# Altium PCB BRD_EPM240.PcbDoc (part 2 of 2)
Units mm, origin at the board's own origin, x right, y up, seen from the top; angles counter-clockwise.
Board outline 70.2 x 70 mm, 2 copper layers (Top Layer, Bottom Layer); 159 components, 112 nets, 540 pads, 248 vias.
Unrouted connection lines stored in the file: 31.
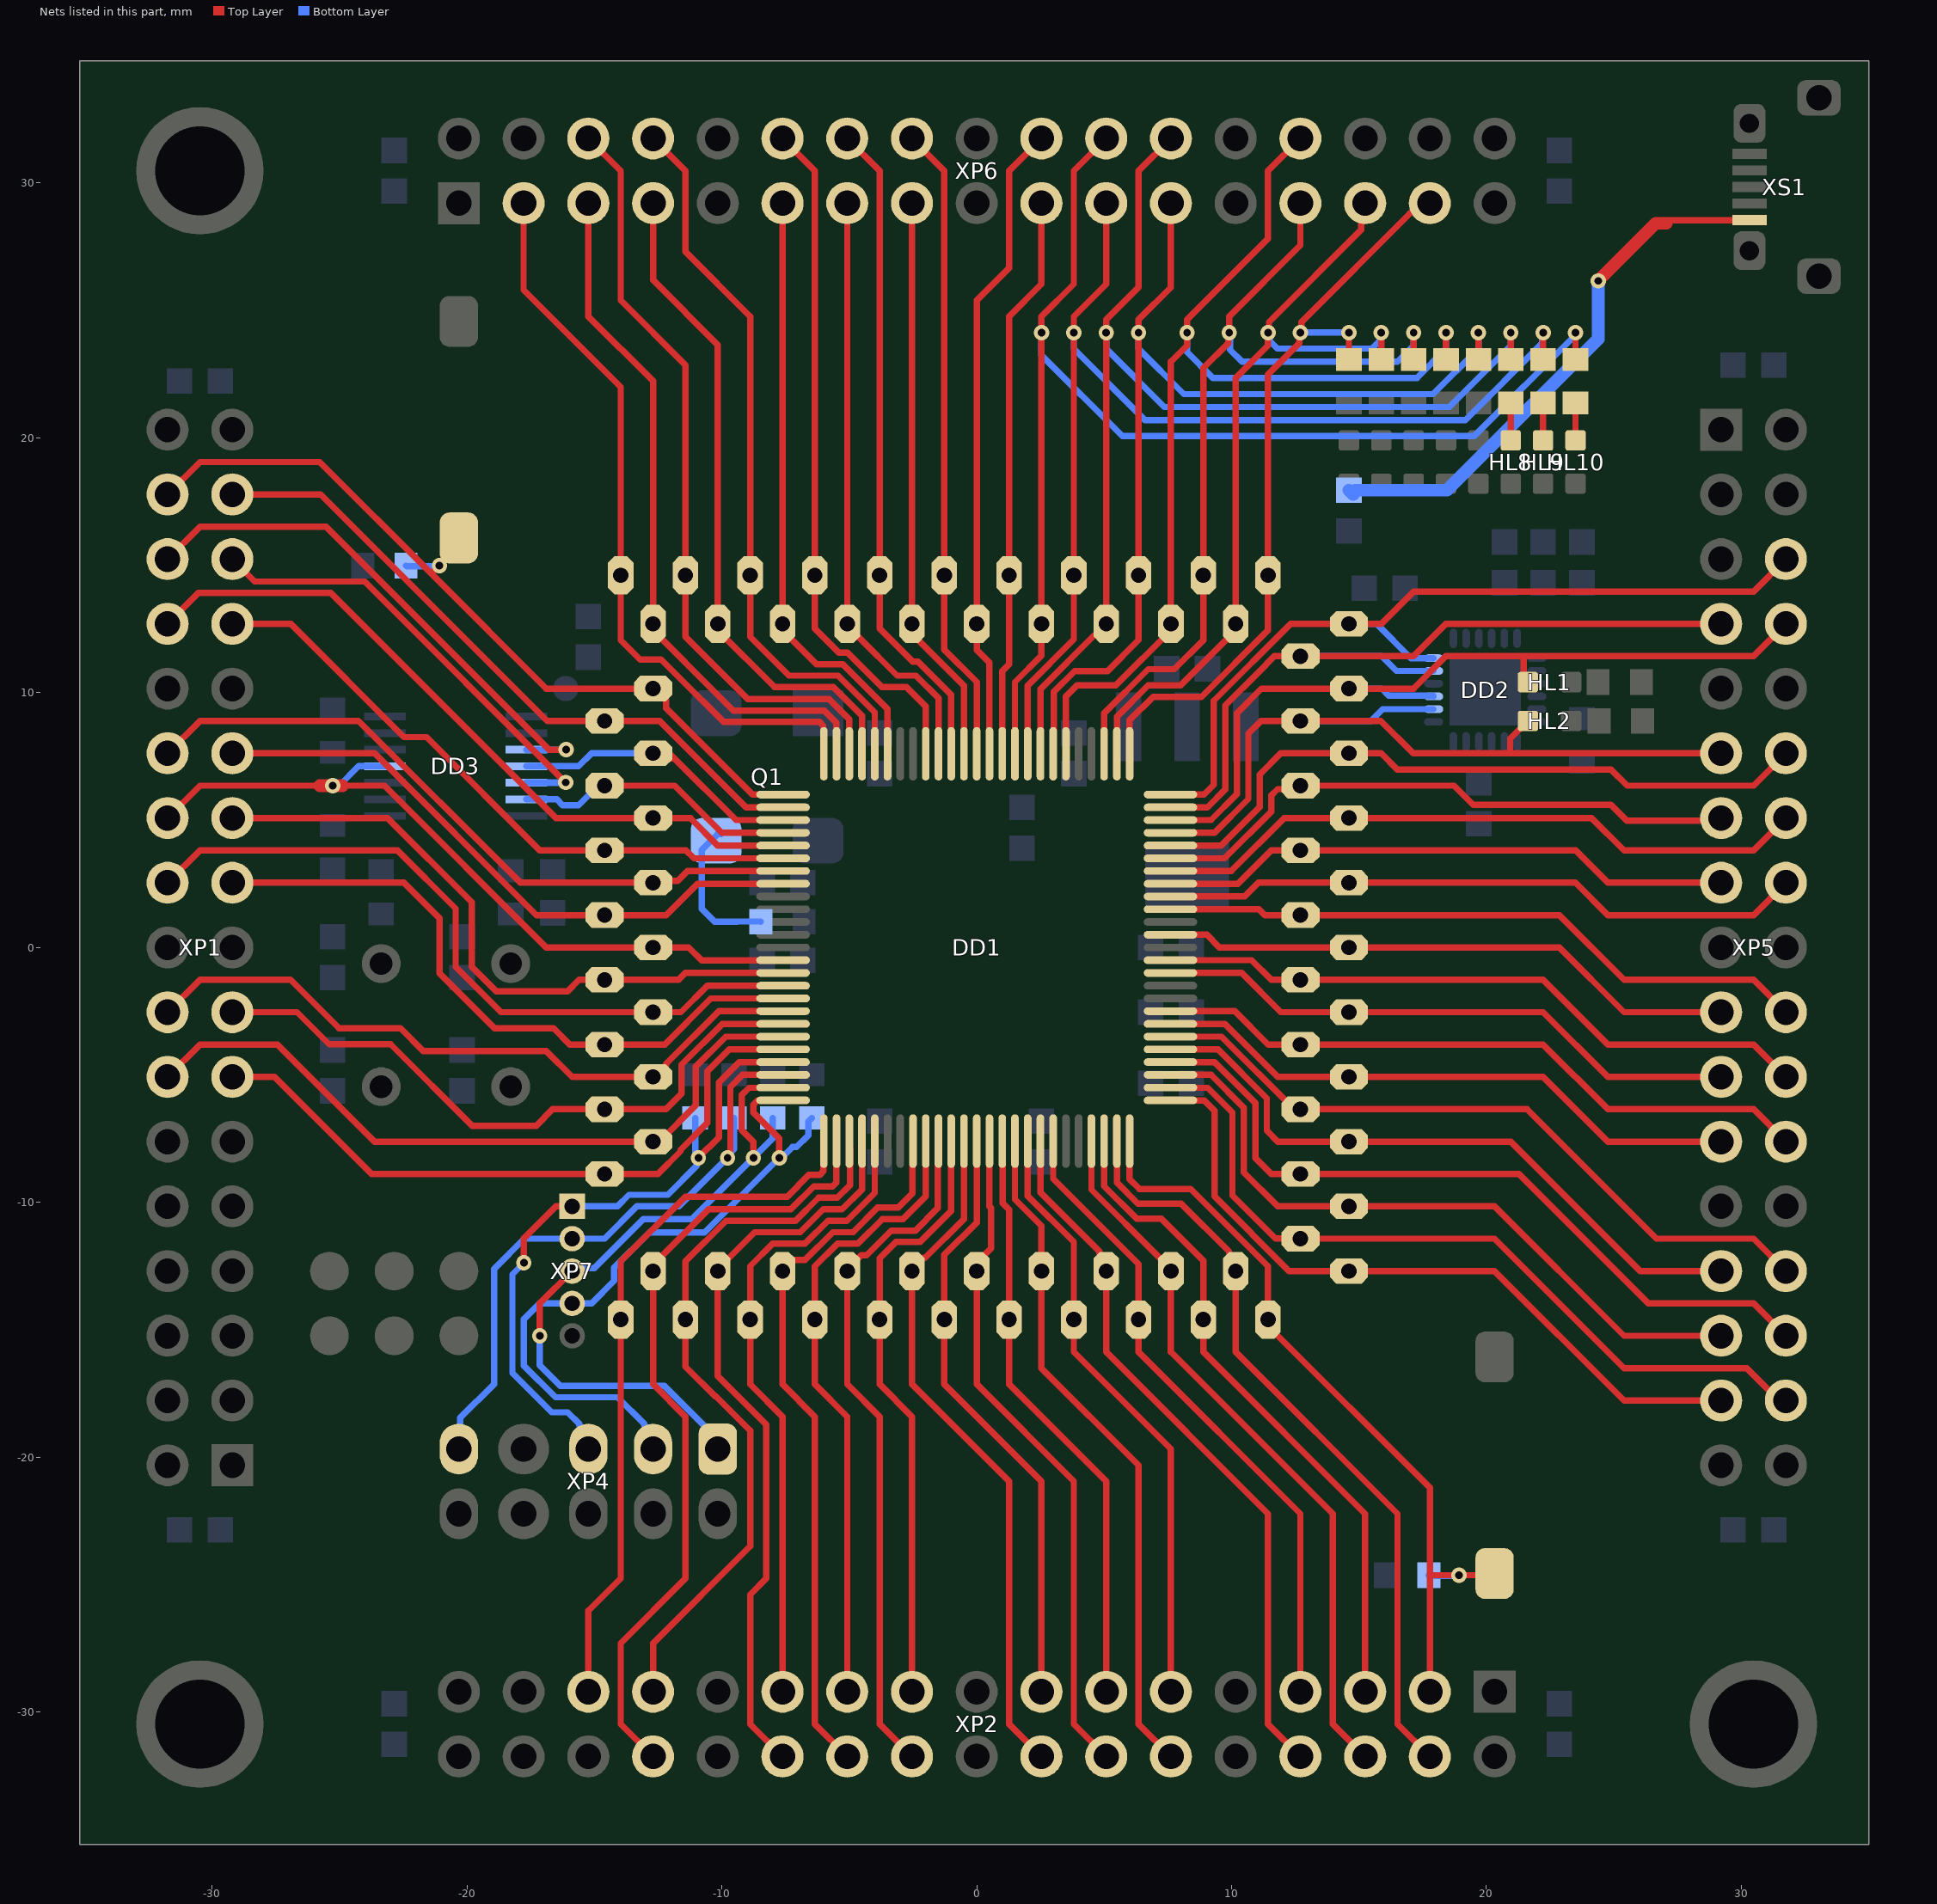
[diagram p2: the nets of this part, all layers, seen from the top]

## Via types
v1: diameter 0.6, hole 0.3, Top Layer to Bottom Layer, tented both sides, 245 vias
v2: diameter 0.6, hole 0.3, Top Layer to Bottom Layer, 3 vias

## Nets (pads, with @x,y where several pads share a name; then routed paths per layer and width w, separated by ;. In a path a pad name is that pad's centre, name@x,y a point inside that pad or via, vN(x,y) a via of type N, cw(c..) or ccw(c..) an arc to the next point about the centre after c; other vN are vias at no path point) (continued)
NetHL8_A: HL8.A R20.1 | length 1.7
  Top Layer w0.25: HL8.A@20.955,19.685 HL8.A@20.955,19.9 R20.1@20.955,21.375
NetHL9_A: HL9.A R21.1 | length 1.7
  Top Layer w0.25: HL9.A@22.225,19.685 HL9.A@22.225,19.9 R21.1@22.225,21.375
NetHL10_A: HL10.A R22.1 | length 1.1
  Top Layer w0.25: 23.495,20.32 R22.1@23.495,21.375
NetL1_1: L1.1 XS1.1 | length 21.6
  Top Layer w0.25: 27.051,28.545 XS1.1@30.32,28.545
  Top Layer w0.5: v1(24.384,26.162) 26.642,28.42 27.051,28.42
  Bottom Layer w0.5: L1.1@14.605,17.945 14.77,17.78 14.77,17.86 14.855,17.945 18.453,17.945 24.384,23.876 v1(24.384,26.162)
NetQ1_3: Q1.3 R5.1 | length 5.8
  Bottom Layer w0.25: Q1.3@-10.033,4.445 -10.162,4.445 -10.785,3.822 -10.785,1.514 -10.287,1.016 -9.403,1.016 -9.399,1.021 -8.475,1.021 R5.1@-8.47,1.016
Pin1: DD1.1 R14.1 SB1.1 X79.1 XP1.32 | length 33.4
  Top Layer w0.25: XP1.32@-31.75,17.78 -30.48,19.05 -25.781,19.05 -21.399,14.668 ; v1(-21.082,14.986) v1@-21.111,14.957 ; SB1.1@-20.32,16.07 -20.32,15.813 -21.111,15.022 v1@-21.111,14.957 ; X79.1@-12.7,10.16 -16.891,10.16 -21.399,14.668 ; X79.1@-12.627,10.16 -12.185,9.718 -12.185,9.391 -8.794,6 DD1.1@-7.6,6 ; -21.399,14.668 v1@-21.111,14.957
  Bottom Layer w0.25: R14.1@-22.391,14.986 -22.366,14.961 v1@-21.141,14.961
Pin2: DD1.2 X1.1 XP1.31 | length 26.7
  Top Layer w0.25: XP1.31@-29.21,17.78 -25.742,17.78 -16.852,8.89 X1.1@-14.605,8.89 -12.446,8.89 -9.056,5.5 DD1.2@-7.6,5.5
Pin3: DD1.3 DD3.11 X2.1 | length 15.7
  Top Layer w0.25: DD1.3@-7.6,5 -9.445,5 ; -9.445,5 -11.867,7.422 -12.502,7.422 X2.1@-12.7,7.62 -12.673,7.647 -12.092,7.647 -9.445,5
  Bottom Layer w0.25: DD3.11@-17.672,7.112 -15.621,7.112 -15.113,7.62 X2.1@-12.7,7.62
Pin3_nBuf: DD3.10 XP1.30 | length 21.3
  Top Layer w0.25: XP1.30@-31.75,15.24 -30.48,16.51 -25.527,16.51 -16.779,7.762 v1(-16.114,7.762)
  Bottom Layer w0.25: DD3.10@-17.672,7.762 v1(-16.114,7.762)
Pin4: DD1.4 DD3.13 X3.1 | length 11.2
  Top Layer w0.25: X3.1@-14.605,6.35 -11.854,6.35 -10.597,5.093 -10.004,4.5 DD1.4@-7.6,4.5
  Bottom Layer w0.25: DD3.13@-17.672,5.812 -16.48,5.812 -16.256,5.588 -15.621,5.588 -14.859,6.35 X3.1@-14.605,6.35
Pin4_nBuf: DD3.12 XP1.29 | length 19.5
  Top Layer w0.25: XP1.29@-29.21,15.24 -28.331,14.361 -24.014,14.361 -16.13,6.477 v1(-16.129,6.477)
  Bottom Layer w0.25: v1@-16.398,6.462 DD3.12@-17.672,6.462 -17.665,6.469 -16.137,6.469 v1(-16.129,6.477)
Pin5: DD1.5 X4.1 XP1.28 | length 28.8
  Top Layer w0.25: XP1.28@-31.75,12.7 -30.539,13.911 -25.341,13.911 -16.51,5.08 X4.1@-12.7,5.08 -11.221,5.08 -11.221,5.061 -10.16,4 DD1.5@-7.6,4
Pin6: DD1.6 X5.1 XP1.27 | length 25.4
  Top Layer w0.25: XP1.27@-29.21,12.7 -26.919,12.7 -22.474,8.255 -21.59,8.255 -17.145,3.81 X5.1@-14.605,3.81 -11.409,3.81 -11.099,3.5 DD1.6@-7.6,3.5
Pin7: DD1.7 X6.1 XP1.24 | length 27.5
  Top Layer w0.25: XP1.24@-31.75,7.62 -30.48,8.89 -24.257,8.89 -17.907,2.54 X6.1@-12.7,2.54 -12.629,2.611 -11.74,2.611 -11.351,3 DD1.7@-7.6,3
Pin8: DD1.8 X7.1 XP1.23 | length 24.7
  Top Layer w0.25: XP1.23@-29.21,7.62 -23.623,7.62 -17.273,1.27 -12.188,1.27 -10.958,2.5 DD1.8@-7.6,2.5
Pin14: DD1.14 DD3.4 X8.1 XP1.22 | length 29.9
  Top Layer w0.25: XP1.22@-31.75,5.08 -30.48,6.35 -25.781,6.35 ; -24.892,6.35 -23.241,6.35 -16.891,0 X8.1@-12.7,0 -11.303,0 -10.793,-0.51 -7.61,-0.51 DD1.14@-7.6,-0.5
  Top Layer w0.5: -25.781,6.35 v1(-25.273,6.35) -24.892,6.35
  Bottom Layer w0.25: v1(-25.273,6.35) -25.019,6.35 -24.257,7.112 DD3.4@-23.222,7.112
Pin15: DD1.15 X9.1 XP1.21 | length 26.2
  Top Layer w0.25: XP1.21@-29.21,5.08 -23.114,5.08 -19.811,1.777 -19.811,-0.761 -18.849,-1.722 -16.058,-1.722 -15.606,-1.27 X9.1@-14.605,-1.27 -11.699,-1.27 -11.429,-1 DD1.15@-7.6,-1
Pin16: DD1.16 X10.1 XP1.20 | length 29.1
  Top Layer w0.25: XP1.20@-31.75,2.54 -30.48,3.81 -22.733,3.81 -20.447,1.524 -20.447,-0.761 -18.668,-2.54 X10.1@-12.7,-2.54 -11.608,-2.54 -10.568,-1.5 DD1.16@-7.6,-1.5
Pin17: DD1.17 X11.1 XP1.19 | length 26.3
  Top Layer w0.25: XP1.19@-29.21,2.54 -22.479,2.54 -21.082,1.143 -21.082,-1.016 -18.923,-3.175 -16.601,-3.175 -15.966,-3.81 X11.1@-14.605,-3.81 -12.242,-3.81 -10.432,-2 DD1.17@-7.6,-2
Pin18: DD1.18 X12.1 XP1.16 | length 27.4
  Top Layer w0.25: XP1.16@-31.75,-2.54 -30.48,-1.27 -26.924,-1.27 -25.019,-3.175 -22.606,-3.175 -21.717,-4.064 -16.891,-4.064 -15.875,-5.08 X12.1@-12.7,-5.08 -12.627,-5.08 -12.185,-4.638 -12.185,-4.565 -10.12,-2.5 DD1.18@-7.6,-2.5
Pin19: DD1.19 X13.1 XP1.15 | length 25.8
  Top Layer w0.25: XP1.15@-29.21,-2.54 -26.67,-2.54 -25.407,-3.803 -22.994,-3.803 -19.799,-6.998 -17.285,-6.998 -16.637,-6.35 X13.1@-14.605,-6.35 -12.192,-6.35 -11.582,-5.74 -11.582,-4.598 -9.984,-3 DD1.19@-7.6,-3
Pin20: DD1.20 X14.1 XP1.14 | length 28.8
  Top Layer w0.25: XP1.14@-31.75,-5.08 -30.48,-3.81 -27.432,-3.81 -23.622,-7.62 X14.1@-12.7,-7.62 -12.45,-7.62 -11.021,-6.191 -11.021,-4.674 -9.847,-3.5 DD1.20@-7.6,-3.5
Pin21: DD1.21 X15.1 XP1.13 | length 26.4
  Top Layer w0.25: XP1.13@-29.21,-5.08 -27.56,-5.08 -23.75,-8.89 X15.1@-14.605,-8.89 -12.51,-8.89 -11.625,-8.005 -11.625,-7.947 -10.567,-6.89 -10.567,-4.857 -9.711,-4 DD1.21@-7.6,-4
Pin26: DD1.26 X16.1 XP2.29 | length 28
  Top Layer w0.25: XP2.29@-15.24,-29.21 -15.24,-26.035 -13.969,-24.764 X16.1@-13.969,-14.605 -13.969,-12.318 -11.43,-9.779 -7.437,-9.779 -6.583,-8.925 -6.156,-8.925 -6.01,-8.779 -6.01,-7.61 DD1.26@-6,-7.6
Pin27: DD1.27 X17.1 XP2.28 | length 31.6
  Top Layer w0.25: XP2.28@-12.7,-31.75 -13.97,-30.48 -13.97,-27.305 -11.43,-24.765 -11.43,-18.415 -12.7,-17.145 X17.1@-12.7,-12.7 -12.7,-12.45 -10.525,-10.275 -7.297,-10.275 -6.397,-9.375 -5.656,-9.375 -5.51,-9.229 -5.51,-7.61 DD1.27@-5.5,-7.6
Pin28: DD1.28 X18.1 XP2.27 | length 28.7
  Top Layer w0.25: XP2.27@-12.7,-29.21 -12.7,-27.305 -8.89,-23.495 -8.89,-18.965 -10.243,-17.613 -10.272,-17.613 -11.43,-16.455 X18.1@-11.43,-14.605 -11.43,-12.319 -9.836,-10.725 -7.11,-10.725 -6.21,-9.825 -5.47,-9.825 -4.975,-9.33 DD1.28@-4.975,-7.874
Pin29: DD1.29 X19.1 XP2.24 | length 29.6
  Top Layer w0.25: XP2.24@-7.62,-31.75 -8.89,-30.48 -8.89,-25.401 -8.255,-24.766 -8.255,-18.729 -10.16,-16.824 -10.16,-12.627 -8.708,-11.175 -6.924,-11.175 -6.024,-10.275 -5.283,-10.275 -4.5,-9.492 DD1.29@-4.5,-7.6
Pin30: DD1.30 X20.1 XP2.23 | length 25.3
  Top Layer w0.25: XP2.23@-7.62,-29.21 -7.62,-18.415 -8.89,-17.145 X20.1@-8.89,-14.605 -8.89,-12.51 -8.005,-11.625 -6.737,-11.625 -5.837,-10.725 -5.097,-10.725 -4,-9.628 DD1.30@-4,-7.6
Pin33: DD1.33 X21.1 XP2.22 | length 28.6
  Top Layer w0.25: XP2.22@-5.08,-31.75 -6.35,-30.48 -6.35,-18.415 -7.62,-17.145 -7.62,-12.644 -7.245,-12.269 -6.745,-12.269 -5.651,-11.175 -4.849,-11.175 -3.885,-10.211 -3.082,-10.211 -2.525,-9.653 -2.525,-8.56 -2.51,-8.545 -2.51,-7.61 DD1.33@-2.5,-7.6
Pin34: DD1.34 X22.1 XP2.21 | length 24.9
  Top Layer w0.25: XP2.21@-5.08,-29.21 -5.08,-18.415 -6.35,-17.145 X22.1@-6.35,-14.605 -6.35,-12.51 -5.465,-11.625 -4.662,-11.625 -3.698,-10.661 -2.896,-10.661 -2,-9.765 DD1.34@-2,-7.6
Pin35: DD1.35 X23.1 XP2.20 | length 26.9
  Top Layer w0.25: XP2.20@-2.54,-31.75 -3.81,-30.48 -3.81,-18.415 -5.08,-17.145 X23.1@-5.08,-12.7 -5.08,-12.627 -4.528,-12.075 -4.322,-12.075 -3.358,-11.111 -2.411,-11.111 -1.524,-10.224 DD1.35@-1.524,-8.001
Pin36: DD1.36 X24.1 XP2.19 | length 23.4
  Top Layer w0.25: XP2.19@-2.54,-29.21 -2.54,-18.415 -3.81,-17.145 X24.1@-3.81,-14.605 -3.81,-12.2 -3.171,-11.561 -2.224,-11.561 -1,-10.337 DD1.36@-1,-8.017
Pin37: DD1.37 X25.1 XP2.16 | length 26.6
  Top Layer w0.25: DD1.37@-0.5,-8.136 -0.5,-10.659 -2.026,-12.184 -2.097,-12.184 -2.54,-12.627 X25.1@-2.54,-12.7 -2.54,-17.145 1.27,-20.955 1.27,-30.48 XP2.16@2.54,-31.75
Pin38: DD1.38 X26.1 XP2.15 | length 23.1
  Top Layer w0.25: X26.1@-1.27,-14.605 -1.27,-17.145 2.54,-20.955 XP2.15@2.54,-29.21 ; X26.1@-1.27,-13.97 -1.27,-12.065 0,-10.795 DD1.38@0,-7.6
Pin39: DD1.39 X27.1 XP2.14 | length 26.5
  Top Layer w0.25: DD1.39@0.5,-7.6 0.5,-10.158 0.569,-10.226 0.569,-11.809 0,-12.377 X27.1@0,-12.7 0,-17.145 3.81,-20.955 3.81,-30.48 XP2.14@5.08,-31.75
Pin40: DD1.40 X28.1 XP2.13 | length 24.6
  Top Layer w0.25: DD1.40@1,-7.6 1.01,-7.61 1.01,-8.545 1.016,-8.551 1.016,-10.037 1.275,-10.296 X28.1@1.275,-14.6 ; 1.275,-15.875 1.275,-14.61 X28.1@1.27,-14.605 1.27,-17.145 5.08,-20.955 5.08,-24.857 XP2.13@5.08,-29.21
Pin41: DD1.41 X29.1 XP2.12 | length 27.1
  Top Layer w0.25: DD1.41@1.5,-7.6 1.5,-9.885 2.54,-10.925 X29.1@2.54,-12.7 2.54,-16.51 6.35,-20.32 6.35,-30.48 XP2.12@7.62,-31.75 XP2.12@7.888,-31.482
Pin42: DD1.42 X30.1 XP2.11 | length 23.9
  Top Layer w0.25: DD1.42@2,-7.6 2,-9.748 3.81,-11.558 X30.1@3.81,-14.605 3.81,-15.875 7.62,-19.685 XP2.11@7.62,-29.21
Pin43: DD1.43 X31.1 XP2.8 | length 28.4
  Top Layer w0.25: DD1.43@2.5,-7.6 2.5,-9.612 4.819,-11.931 4.819,-12.012 5.08,-12.273 X31.1@5.08,-12.7 5.08,-15.875 11.43,-22.225 11.43,-30.48 XP2.8@12.7,-31.75
Pin44: DD1.44 X32.1 XP2.7 | length 25.6
  Top Layer w0.25: DD1.44@3,-7.6 3,-9.074 6.35,-12.424 X32.1@6.35,-14.605 6.35,-15.875 12.7,-22.225 XP2.7@12.7,-29.21
Pin47: DD1.47 X33.1 XP2.6 | length 28.6
  Top Layer w0.25: DD1.47@4.5,-7.6 4.5,-9.507 7.141,-12.148 7.62,-12.627 X33.1@7.62,-12.7 7.62,-15.875 13.97,-22.225 13.97,-30.48 XP2.6@15.24,-31.75
Pin48: DD1.48 X34.1 XP2.5 | length 26.4
  Top Layer w0.25: DD1.48@5,-7.6 5,-9.37 6.278,-10.648 7.242,-10.648 8.89,-12.296 X34.1@8.89,-14.605 8.89,-15.875 15.24,-22.225 XP2.5@15.24,-29.21
Pin49: DD1.49 X35.1 XP2.4 | length 30.2
  Top Layer w0.25: DD1.49@5.5,-7.6 5.5,-9.234 6.322,-10.056 8.024,-10.056 9.899,-11.931 9.899,-12.012 10.16,-12.273 X35.1@10.16,-12.7 10.16,-15.875 16.51,-22.225 16.51,-30.48 XP2.4@17.78,-31.75
Pin50: DD1.50 R15.1 SB2.1 X36.1 XP2.3 | length 31.4
  Top Layer w0.25: DD1.50@6,-7.6 6,-9.098 6.377,-9.474 8.394,-9.474 11.43,-12.51 X36.1@11.43,-14.605 11.43,-14.855 17.78,-21.205 17.78,-24.638 ; XP2.3@17.78,-29.21 17.78,-24.638 ; SB2.1@20.32,-24.57 20.252,-24.638 v1(18.923,-24.638) 17.78,-24.638
  Bottom Layer w0.25: R15.1@17.741,-24.638 17.766,-24.663 v1@18.923,-24.663
Pin51: DD1.51 X37.1 XP5.31 | length 28.5
  Top Layer w0.25: DD1.51@7.6,-6 7.61,-6.01 8.929,-6.01 9.329,-6.409 9.329,-9.773 12.256,-12.7 X37.1@14.605,-12.7 20.32,-12.7 25.4,-17.78 XP5.31@29.21,-17.78
Pin52: DD1.52 X38.1 XP5.32 | length 31.1
  Top Layer w0.25: DD1.52@7.6,-5.5 7.61,-5.51 9.066,-5.51 10.033,-6.477 10.033,-9.728 11.721,-11.417 12.687,-11.417 X38.1@12.7,-11.43 20.32,-11.43 25.4,-16.51 30.212,-16.51 31.482,-17.78 XP5.32@31.75,-17.78
Pin53: DD1.53 X39.1 XP5.29 | length 27.3
  Top Layer w0.25: DD1.53@7.6,-5 9.192,-5 10.483,-6.291 10.483,-8.832 11.811,-10.16 X39.1@14.605,-10.16 20.32,-10.16 25.4,-15.24 XP5.29@29.21,-15.24
Pin54: DD1.54 X40.1 XP5.30 | length 29.9
  Top Layer w0.25: DD1.54@7.6,-4.5 9.329,-4.5 10.933,-6.104 10.933,-8.266 11.557,-8.89 X40.1@12.7,-8.89 21.273,-8.89 26.353,-13.97 30.48,-13.97 XP5.30@31.75,-15.24
Pin55: DD1.55 X41.1 XP5.27 | length 26
  Top Layer w0.25: DD1.55@7.6,-4 9.465,-4 11.383,-5.918 11.383,-7.192 11.811,-7.62 X41.1@14.605,-7.62 20.955,-7.62 26.035,-12.7 XP5.27@29.21,-12.7
Pin56: DD1.56 X42.1 XP5.28 | length 28
  Top Layer w0.25: DD1.56@7.6,-3.5 9.602,-3.5 12.452,-6.35 X42.1@12.7,-6.35 21.59,-6.35 26.67,-11.43 30.48,-11.43 XP5.28@31.75,-12.7
Pin57: DD1.57 X43.1 XP5.23 | length 23.5
  Top Layer w0.25: DD1.57@7.6,-3 9.738,-3 11.818,-5.08 X43.1@14.605,-5.08 22.225,-5.08 24.765,-7.62 XP5.23@29.21,-7.62
Pin58: DD1.58 X44.1 XP5.24 | length 26.3
  Top Layer w0.25: DD1.58@7.6,-2.5 10.125,-2.5 11.435,-3.81 X44.1@12.7,-3.81 22.225,-3.81 24.765,-6.35 30.48,-6.35 XP5.24@31.75,-7.62
Pin61: DD1.61 X45.1 XP5.21 | length 23.3
  Top Layer w0.25: DD1.61@7.6,-1 10.398,-1 11.938,-2.54 X45.1@14.605,-2.54 22.225,-2.54 24.765,-5.08 XP5.21@29.21,-5.08
Pin62: DD1.62 X46.1 XP5.22 | length 26
  Top Layer w0.25: DD1.62@7.6,-0.5 10.787,-0.5 11.557,-1.27 X46.1@12.7,-1.27 22.225,-1.27 24.765,-3.81 30.48,-3.81 XP5.22@31.75,-5.08
Pin64: DD1.64 X47.1 XP5.19 | length 22.9
  Top Layer w0.25: DD1.64@7.6,0.5 9.025,0.5 9.525,0 X47.1@14.605,0 22.86,0 25.4,-2.54 XP5.19@29.21,-2.54
Pin66: DD1.66 X48.1 XP5.20 | length 25.8
  Top Layer w0.25: DD1.66@7.6,1.5 11.073,1.5 11.303,1.27 X48.1@12.7,1.27 22.86,1.27 25.4,-1.27 30.48,-1.27 XP5.20@31.75,-2.54
Pin67: DD1.67 X49.1 XP5.16 | length 25.4
  Top Layer w0.25: DD1.67@7.6,2 10.509,2 11.049,2.54 X49.1@14.605,2.54 23.495,2.54 24.765,1.27 30.48,1.27 XP5.16@31.75,2.54
Pin68: DD1.68 X50.1 XP5.15 | length 22.7
  Top Layer w0.25: DD1.68@7.6,2.5 10.247,2.5 11.557,3.81 23.496,3.81 24.766,2.54 XP5.15@29.21,2.54
Pin69: DD1.69 X51.1 XP5.14 | length 26.1
  Top Layer w0.25: DD1.69@7.6,3 9.985,3 12.065,5.08 X51.1@14.605,5.08 24.13,5.08 25.4,3.81 30.48,3.81 XP5.14@31.75,5.08
Pin70: DD1.70 X52.1 XP5.13 | length 23.8
  Top Layer w0.25: DD1.70@7.6,3.5 9.723,3.5 11.557,5.334 11.557,5.969 11.804,6.216 12.566,6.216 X52.1@12.7,6.35 18.728,6.35 19.48,5.598 24.882,5.598 25.507,4.973 29.103,4.973 XP5.13@29.21,5.08
Pin71: DD1.71 X53.1 XP5.12 | length 27.4
  Top Layer w0.25: DD1.71@7.6,4 9.587,4 11.107,5.52 11.107,6.789 11.938,7.62 15.87,7.62 16.505,6.985 24.892,6.985 25.527,6.35 30.48,6.35 XP5.12@31.75,7.62
Pin72: DD1.72 DD2.20 HL2.K X54.1 XP5.11 | length 32.4
  Top Layer w0.25: DD1.72@7.6,4.5 9.329,4.5 10.657,5.828 10.657,8.395 11.152,8.89 15.851,8.89 17.121,7.62 20.931,7.62 ; HL2.K@21.629,8.89 20.931,8.192 20.931,7.62 ; XP5.11@29.21,7.62 20.931,7.62
  Bottom Layer w0.25: X54.1@12.7,8.89 15.47,8.89 15.933,9.353 DD2.20@17.929,9.353
Pin73: DD1.73 DD2.21 HL1.K X55.1 XP5.8 | length 33.6
  Top Layer w0.25: DD1.73@7.6,5 9.192,5 10.207,6.015 10.207,8.581 10.207,9.191 11.176,10.16 X55.1@14.605,10.16 17.145,10.16 18.415,11.43 21.463,11.43 ; HL1.K@21.59,10.668 21.484,10.668 21.463,10.689 21.463,11.43 ; XP5.8@31.75,12.7 30.48,11.43 21.463,11.43
  Top Layer w0.5: HL1.K@21.59,10.453 HL1.K@21.629,10.414
  Bottom Layer w0.25: X55.1@14.605,10.16 15.886,10.16 16.168,9.878 17.644,9.878 17.659,9.863 17.919,9.863 DD2.21@17.929,9.853
Pin74: DD1.74 DD2.23 X56.1 XP5.7 | length 32
  Top Layer w0.25: DD1.74@7.6,5.5 9.056,5.5 9.757,6.201 9.757,8.767 9.757,9.503 11.049,10.795 11.684,11.43 X56.1@12.7,11.43 17.145,11.43 18.415,12.7 XP5.7@29.21,12.7
  Bottom Layer w0.25: X56.1@12.7,11.43 15.886,11.43 16.463,10.853 DD2.23@17.929,10.853
Pin75: DD1.75 DD2.24 X57.1 XP5.6 | length 33.8
  Top Layer w0.25: DD1.75@7.6,6 8.92,6 9.307,6.387 9.307,9.689 12.318,12.7 X57.1@14.605,12.7 15.875,12.7 17.145,13.97 30.48,13.97 XP5.6@31.75,15.24
  Bottom Layer w0.25: X57.1@14.605,12.7 15.687,12.7 17.034,11.353 DD2.24@17.929,11.353
Pin76: DD1.76 R6.2 X58.1 XP6.31 | length 30.7
  Top Layer w0.25: DD1.76@6,7.6 6,8.921 6.916,9.837 8.818,9.837 11.43,12.449 X58.1@11.43,14.605 11.43,22.479 12.663,23.712 12.663,24.093 v1(12.7,24.13) ; v1@12.737,24.167 12.737,24.548 16.991,28.802 16.993,28.802 17.401,29.21 XP6.31@17.78,29.21 ; R6.2@14.605,23.075 v1(14.605,24.13)
  Bottom Layer w0.25: v1(12.7,24.13) v1(14.605,24.13)
Pin77: DD1.77 R16.2 X59.1 XP6.29 | length 32.7
  Top Layer w0.25: DD1.77@5.5,7.6 5.5,9.057 6.73,10.287 8.001,10.287 9.144,11.43 10.16,12.446 X59.1@10.16,12.7 10.16,22.352 11.43,23.622 v1(11.43,24.13) ; v1@11.467,24.167 11.467,24.548 15.086,28.167 15.086,29.056 XP6.29@15.24,29.21 ; R16.2@15.875,23.075 v1(15.875,24.13)
  Bottom Layer w0.25: v1(11.43,24.13) 11.497,24.063 11.497,23.809 11.801,23.505 15.504,23.505 15.808,23.809 15.808,24.063 v1(15.875,24.13)
Pin78: DD1.78 R17.2 X60.1 XP6.27 | length 35.3
  Top Layer w0.25: DD1.78@5,7.6 5,9.194 6.728,10.922 7.747,10.922 8.89,12.065 X60.1@8.89,14.605 8.901,14.616 8.901,22.744 9.869,23.712 9.869,24.093 v1(9.906,24.13) 9.906,24.765 12.7,27.559 XP6.27@12.7,29.21 ; R17.2@17.145,23.075 v1(17.145,24.13)
  Bottom Layer w0.25: v1(9.906,24.13) 9.946,24.09 9.946,23.455 10.414,22.987 16.51,22.987 17.145,23.622 v1(17.145,24.13)
Pin81: DD1.81 R18.2 X61.1 XP6.28 | length 42.4
  Top Layer w0.25: DD1.81@3.5,7.6 3.5,9.85 3.937,10.287 5.457,10.287 7.62,12.45 X61.1@7.62,12.7 7.62,22.987 8.255,23.622 8.255,24.638 11.43,27.813 11.43,30.48 XP6.28@12.7,31.75 ; R18.2@18.415,23.075 v1(18.415,24.13)
  Bottom Layer w0.25: v1(8.255,24.13) 8.255,23.368 9.271,22.352 17.272,22.352 18.415,23.495 v1(18.415,24.13)
Pin82: DD1.82 R19.2 X62.1 XP6.23 | length 41.4
  Top Layer w0.25: DD1.82@3,7.6 3.01,7.61 3.01,8.545 3.025,8.56 3.025,10.029 3.843,10.847 5.131,10.847 6.35,12.066 X62.1@6.35,14.605 6.35,24.638 7.62,25.908 XP6.23@7.62,29.21 ; R19.2@19.685,23.075 v1(19.685,24.13)
  Bottom Layer w0.25: v1(6.35,24.13) 6.35,23.495 8.128,21.717 17.907,21.717 19.685,23.495 v1(19.685,24.13)
Pin83: DD1.83 R20.2 X63.1 XP6.24 | length 46.3
  Top Layer w0.25: DD1.83@2.5,7.6 2.5,10.141 4.611,12.252 4.705,12.252 5.08,12.627 X63.1@5.08,12.7 5.08,24.638 6.35,25.908 6.35,30.48 XP6.24@7.62,31.75 ; R20.2@20.955,23.075 v1(20.955,24.13)
  Bottom Layer w0.25: v1(5.08,24.13) 5.08,23.495 7.366,21.209 18.542,21.209 20.955,23.622 v1(20.955,24.13)
Pin84: DD1.84 R21.2 X64.1 XP6.21 | length 45.8
  Top Layer w0.25: DD1.84@2,7.6 2,10.277 3.81,12.087 X64.1@3.81,14.605 3.81,24.765 5.08,26.035 XP6.21@5.08,29.21 ; R21.2@22.225,23.075 22.184,23.116 22.225,23.157 v1(22.225,24.13)
  Bottom Layer w0.25: v1(3.81,24.13) 3.81,23.495 6.604,20.701 19.177,20.701 22.188,23.712 22.188,24.093 v1(22.225,24.13)
Pin85: DD1.85 R22.2 X65.1 XP6.22 | length 51.6
  Top Layer w0.25: DD1.85@1.5,7.6 1.5,10.413 2.54,11.453 X65.1@2.54,12.7 v1(2.54,24.13) 2.54,24.765 3.81,26.035 3.81,30.48 XP6.22@5.08,31.75 ; R22.2@23.495,23.075 v1(23.495,24.13)
  Bottom Layer w0.25: v1(2.54,24.13) 2.54,23.241 5.715,20.066 19.526,20.066 23.495,24.035 v1(23.495,24.13)
Pin86: DD1.86 X66.1 XP6.19 | length 22.2
  Top Layer w0.25: DD1.86@1,7.6 1,10.847 1.27,11.117 X66.1@1.27,14.605 1.27,24.765 2.54,26.035 XP6.19@2.54,29.21
Pin87: DD1.87 X67.1 XP6.20 | length 25.4
  Top Layer w0.25: DD1.87@0.5,7.6 0.5,11.176 0,11.676 X67.1@0,12.7 0,25.4 1.27,26.67 1.27,30.48 XP6.20@2.54,31.75
Pin88: DD1.88 X68.1 XP6.16 | length 25.2
  Top Layer w0.25: XP6.16@-2.54,31.75 -1.27,30.48 X68.1@-1.27,14.605 -1.27,11.683 0,10.413 DD1.88@0,7.6
Pin89: DD1.89 X69.1 XP6.15 | length 22.5
  Top Layer w0.25: XP6.15@-2.54,29.21 X69.1@-2.54,12.7 -2.54,12.317 -0.5,10.277 DD1.89@-0.5,7.6
Pin90: DD1.90 X70.1 XP6.14 | length 26
  Top Layer w0.25: XP6.14@-5.08,31.75 -3.81,30.48 X70.1@-3.81,14.605 -3.81,12.51 -2.512,11.212 -2.298,11.212 -1,9.913 DD1.90@-1,7.6
Pin91: DD1.91 X71.1 XP6.13 | length 23.5
  Top Layer w0.25: XP6.13@-5.08,29.21 X71.1@-5.08,12.7 -5.08,12.627 -4.601,12.148 -3.121,10.668 -2.391,10.668 -1.5,9.777 DD1.91@-1.5,7.6
Pin92: DD1.92 X72.1 XP6.12 | length 27.2
  Top Layer w0.25: XP6.12@-7.62,31.75 -6.35,30.48 X72.1@-6.35,14.605 -6.35,12.51 -5.408,11.568 -5.073,11.568 -3.723,10.218 -2.756,10.218 -2,9.462 DD1.92@-2,7.6
Pin95: DD1.95 X73.1 XP6.11 | length 23.9
  Top Layer w0.25: XP6.11@-7.62,29.21 X73.1@-7.62,12.7 -7.62,12.45 -6.288,11.118 -5.259,11.118 -3.5,9.359 DD1.95@-3.5,7.6
Pin96: DD1.96 X74.1 XP6.8 | length 28.2
  Top Layer w0.25: XP6.8@-12.7,31.75 -11.43,30.48 -11.43,27.305 -8.89,24.765 X74.1@-8.89,15.24 ; X74.1@-8.89,14.605 -8.89,12.192 -7.366,10.668 -5.446,10.668 -4,9.222 DD1.96@-4,7.643
Pin97: DD1.97 X75.1 XP6.7 | length 26.4
  Top Layer w0.25: XP6.7@-12.7,29.21 -12.7,26.194 -10.16,23.654 X75.1@-10.16,12.7 -10.16,12.446 -7.932,10.218 -5.632,10.218 -4.5,9.086 DD1.97@-4.5,7.6
Pin98: DD1.98 X76.1 XP6.6 | length 30.3
  Top Layer w0.25: XP6.6@-15.24,31.75 -13.97,30.48 -13.97,25.4 -11.43,22.86 X76.1@-11.43,14.605 -11.43,12.192 -8.986,9.748 -5.799,9.748 -5.01,8.959 -5.01,7.61 DD1.98@-5,7.6
Pin99: DD1.99 X77.1 XP6.5 | length 27.7
  Top Layer w0.25: XP6.5@-15.24,29.21 -15.24,24.765 -12.7,22.225 X77.1@-12.7,12.7 -12.7,12.45 -10.16,9.91 -9.548,9.298 -5.985,9.298 -5.51,8.823 -5.51,7.61 DD1.99@-5.5,7.6
Pin100: DD1.100 X78.1 XP6.3 | length 29.2
  Top Layer w0.25: XP6.3@-17.78,29.21 -17.78,25.806 -13.97,21.996 X78.1@-13.97,14.605 -13.97,12.065 -13.208,11.303 -12.383,11.303 -11.625,10.545 -9.929,8.848 -6.171,8.848 -6.025,8.702 -6.025,8.56 -6.01,8.545 -6.01,7.61 DD1.100@-6,7.6
TCK: DD1.24 R4.1 XP4.1 XP7.3 | length 27.6
  Top Layer w0.25: v1(-17.145,-15.24) -17.145,-13.97 XP7.3@-15.875,-12.7 ; v1(-8.763,-8.255) -8.763,-7.62 -9.217,-7.166 -9.217,-5.788 -8.939,-5.51 -7.61,-5.51 DD1.24@-7.6,-5.5
  Bottom Layer w0.25: v1(-17.145,-15.24) -17.145,-16.398 -16.34,-17.203 -12.261,-17.203 XP4.1@-10.16,-19.304 ; XP7.3@-15.875,-12.7 -15.762,-12.587 -15,-12.587 -13.081,-10.668 -11.176,-10.668 v1(-8.763,-8.255) -8.001,-7.493 R4.1@-8.001,-6.692
TDI: DD1.23 R3.1 XP4.9 XP7.2 | length 25.4
  Top Layer w0.25: v1(-9.779,-8.255) -9.667,-8.143 -9.667,-5.478 -9.19,-5 DD1.23@-7.6,-5
  Bottom Layer w0.25: XP4.9@-20.32,-19.685 -20.263,-19.628 -20.263,-18.456 -18.943,-17.136 -18.943,-12.613 -17.76,-11.43 XP7.2@-15.875,-11.43 -14.605,-11.43 -13.335,-10.16 -11.684,-10.16 v1(-9.779,-8.255) -9.779,-8.16 -9.525,-7.906 R3.1@-9.525,-6.692
TDO: DD1.25 R1.1 XP4.3 XP7.4 | length 27.5
  Top Layer w0.25: v1(-7.747,-8.255) -7.747,-7.493 -8.767,-6.473 -8.767,-6.171 -8.606,-6.01 -7.61,-6.01 DD1.25@-7.6,-6
  Bottom Layer w0.25: XP7.4@-16.002,-13.894 -16.078,-13.97 -17.145,-13.97 -17.77,-14.595 -17.77,-16.409 -16.526,-17.653 -14.097,-17.653 -13.053,-18.697 -13.053,-18.744 -12.7,-19.097 XP4.3@-12.7,-19.685 ; XP7.4@-15.875,-13.97 -15.113,-13.97 -14.224,-13.081 -14.224,-12.573 -12.838,-11.187 -10.679,-11.187 v1@-7.81,-8.319 ; v1@-7.874,-8.255 -7.652,-8.255 -7.232,-7.834 -7.072,-7.834 -6.609,-7.371 -6.609,-6.824 R1.1@-6.477,-6.692
TMS: DD1.22 R2.1 XP4.5 XP7.1 | length 26.1
  Top Layer w0.25: v1(-17.77,-12.378) -17.77,-11.42 -16.51,-10.16 XP7.1@-15.875,-10.16 ; v1(-10.922,-8.255) -10.117,-7.45 -10.117,-5.291 -9.326,-4.5 DD1.22@-7.6,-4.5
  Bottom Layer w0.25: v1(-17.77,-12.378) -18.22,-12.828 -18.22,-16.705 -16.683,-18.242 -16.048,-18.242 -15.593,-18.697 -15.593,-18.744 -15.24,-19.097 XP4.5@-15.24,-19.685 ; XP7.1@-15.875,-10.16 -14.097,-10.16 -13.647,-9.71 -12.123,-9.71 -10.989,-8.576 -10.989,-8.322 v1(-10.922,-8.255) -10.922,-8.16 -11.049,-8.033 R2.1@-11.049,-6.692
pads on no net: DD2.1 DD2.10 DD2.11 DD2.12 DD2.13 DD2.14 DD2.15 DD2.17 DD2.18 DD2.19 DD2.22 HL1.0 HL2.0 HL3.0 HL4.0 HL5.0 HL6.0 HL7.0 HL8.0 HL9.0 HL10.0 XP1.3 XP1.4 XP1.5 XP1.6 XP1.7 XP1.8 XP1.11 XP1.12 XP2.30 XP2.31 XP2.32 XP4.6 XP4.7 XP4.8 XP5.3 XP5.4 XP5.5 XP6.4 XP6.30 XP6.32 XS1.4 XS1.6
copper on no net: | length 44.2
  Top Layer w0.25: -31.75,-17.78 -30.48,-16.51 -27.305,-16.51 ; -31.75,-15.24 -30.48,-13.97 -27.305,-13.97 ; -31.75,-12.7 -30.48,-11.43 -27.305,-11.43 ; -31.75,-7.62 -30.48,-6.35 -27.305,-6.35 ; -29.21,-17.78 -27.305,-17.78 ; -29.21,-15.24 -27.305,-15.24 ; -29.21,-12.7 -27.305,-12.7 ; -29.21,-7.62 -27.305,-7.62 ; 27.305,15.24 29.21,15.24 ; 27.305,16.51 30.48,16.51 31.75,17.78 ; 27.305,17.78 29.21,17.78
  Bottom Layer w0.25: 17.182,8.853 17.929,8.853 ; 17.185,10.363 17.919,10.363 17.929,10.353 ; 18.694,12.548 18.694,12.138 18.704,12.128 ; 18.704,7.379 18.704,8.078 ; 19.204,7.393 19.204,8.078 ; 20.204,7.377 20.204,8.078 ; 20.704,7.369 20.704,8.078 ; 21.204,7.371 21.204,8.078 ; 21.979,8.853 22.823,8.853 ; 21.979,9.353 22.815,9.353 ; 21.979,9.853 22.786,9.853
  other v1: 25.4,-22.86

## Polygon pours and split planes (outlines as drawn)
GND on Top Layer "GND_L01_P000" (solid, remove dead copper, pour order 0): -35.56,35.56 35.56,35.56 35.56,-35.56 -35.56,-35.56
GND on Bottom Layer "GND_L02_P001" (solid, remove dead copper, pour order 1): -35.56,35.56 35.56,35.56 35.56,-35.56 -35.56,-35.56

## Keep-outs
Keep-Out Layer:
  the board outline again, w0.1

## Other copper
Top Layer:
  pour cut-out: -8.89,1.905 -7.62,1.905 -7.62,0.635 -8.89,0.635

## Silkscreen, mask and mechanical layers (free items; w line width, h text height)
Top Overlay:
  text "G" at 20.8,33.655 h1.5 r90
  text "3.3V" at 19.05,32.546 h1.5
  text "G" at -21.59,26.19 h1.5
  text "3.3V" at -21.59,24.926 h1.5
  text "x" at -17.432,24.765 h1.5 r90
  text "98" at -14.766,24.765 h1.5 r90
  text "96" at -12.226,24.765 h1.5 r90
  text "G" at -9.68,24.765 h1.5 r90
  text "92" at -7.146,24.765 h1.5 r90
  text "90" at -4.606,24.765 h1.5 r90
  text "88" at -2.066,24.765 h1.5 r90
  text "G" at 0.48,24.765 h1.5 r90
  text "87" at 3.014,24.765 h1.5 r90
  text "85" at 5.554,24.765 h1.5 r90
  text "83" at 8.094,24.765 h1.5 r90
  text "G" at 10.64,24.765 h1.5 r90
  text "81" at 13.174,24.765 h1.5 r90
  text "100" at -17.306,20.955 h1.5 r90
  text "99" at -14.766,20.955 h1.5 r90
  text "97" at -12.226,20.955 h1.5 r90
  text "3.3V" at -9.686,20.955 h1.5 r90
  text "95" at -7.146,20.955 h1.5 r90
  text "91" at -4.606,20.955 h1.5 r90
  text "89" at -2.066,20.955 h1.5 r90
  text "3.3V" at 0.474,20.955 h1.5 r90
  text "86" at 3.014,20.955 h1.5 r90
  text "84" at 5.554,20.955 h1.5 r90
  text "82" at 8.094,20.955 h1.5 r90
  text "3.3V" at 10.634,20.955 h1.5 r90
  text "78" at 13.174,20.955 h1.5 r90
  text "G" at 26.035,19.84 h1.5
  text "3.3V" at 25.874,19.05 h1.5 r90
  text "GND" at -25.555,18.923 h1.5 r90
  text "+3V3" at -23.783,18.669 h1.5 r90
  text "x" at 25.4,17.432 h1.5
  text "x" at 26.67,17.432 h1.5
  text "1" at -26.035,17.298 h1.5
  text "2" at -23.496,17.298 h1.5
  text "x" at 24.13,14.892 h1.5
  text "75" at 25.4,14.775 h1.5
  text "3" at -26.035,14.766 h1.5
  text "4" at -23.495,14.76 h1.5
  text "Pin1" at -20.955,14.758 h1.5
  text "5" at -26.035,12.235 h1.5
  text "6" at -23.495,12.226 h1.5
  text "usbRTS" at 15.875,12.22 h1.5
  text "74" at 21.59,12.22 h1.5
  text "73" at 24.765,12.226 h1.5
  text "usbCTS" at 13.97,10.95 h1.5
  text "G" at -26.035,9.68 h1.5
  text "3.3V" at -23.495,9.686 h1.5
  text "usbTX" at 7.62,9.688 h1.5
  text "G" at 34.77,9.525 h1.5 r90
  text "3.3V" at 27.779,8.89 h1.5 r90
  text "usbRX" at 7.62,8.418 h1.5
  text "7" at -26.035,7.146 h1.5
  text "8" at -23.495,7.146 h1.5
  text "72" at 20.955,7.138 h1.5
  text "71" at 24.765,7.138 h1.5
  text "14" at -26.035,4.598 h1.5
  text "15" at -23.495,4.606 h1.5
  text "70" at 20.955,4.606 h1.5
  text "69" at 24.765,4.606 h1.5
  text "68" at 20.955,2.066 h1.5
  text "67" at 24.765,2.066 h1.5
  text "16" at -25.392,1.424 h1.5
  text "17" at -22.852,1.415 h1.5
  text "G" at -26.035,-0.48 h1.5
  text "3.3V" at -23.495,-0.474 h1.5
  text "3.3V" at 20.955,-0.474 h1.5
  text "G" at 24.765,-0.48 h1.5
  text "18" at -26.035,-3.014 h1.5
  text "19" at -23.495,-3.014 h1.5
  text "64" at 20.955,-3.014 h1.5
  text "66" at 24.765,-3.014 h1.5
  text "20" at -26.036,-5.554 h1.5
  text "21" at -23.496,-5.562 h1.5
  text "61" at 20.955,-5.554 h1.5
  text "62" at 24.765,-5.554 h1.5
  text "x" at -26.035,-7.968 h1.5
  text "x" at -23.495,-7.968 h1.5
  text "57" at 20.955,-8.085 h1.5
  text "58" at 24.765,-8.094 h1.5
  text "G" at -26.035,-10.64 h1.5
  text "3.3V" at -23.495,-10.634 h1.5
  text "TMS" at -19.685,-10.64 h1.5
  text "3.3V" at 20.955,-10.634 h1.5
  text "G" at 24.765,-10.64 h1.5
  text "TDI" at -19.685,-11.91 h1.5
  text "55" at 20.955,-13.165 h1.5
  text "TCK" at -19.685,-13.18 h1.5
  text "56" at 24.765,-13.174 h1.5
  text "TDO" at -19.685,-14.45 h1.5
  text "GND" at -19.685,-15.72 h1.5
  text "53" at 20.955,-15.714 h1.5
  text "54" at 24.765,-15.712 h1.5
  text "51" at 22.225,-18.254 h1.5
  text "52" at 24.765,-18.254 h1.5
  text "G" at -26.035,-20.8 h1.5
  text "3.3V" at -23.495,-20.794 h1.5
  text "G" at 24.765,-20.8 h1.5
  text "Pin50" at 18.254,-21.59 h1.5 r90
  text "3.3V" at 23.334,-21.59 h1.5 r90
  text "x" at -17.432,-24.13 h1.5 r90
  text "26" at -14.766,-24.131 h1.5 r90
  text "28" at -12.226,-24.131 h1.5 r90
  text "30" at -7.146,-24.13 h1.5 r90
  text "34" at -4.606,-24.13 h1.5 r90
  text "36" at -2.066,-24.13 h1.5 r90
  text "3.3V" at 0.474,-24.13 h1.5 r90
  text "38" at 3.014,-24.13 h1.5 r90
  text "40" at 5.554,-24.13 h1.5 r90
  text "42" at 8.102,-24.13 h1.5 r90
  text "3.3V" at 10.634,-24.13 h1.5 r90
  text "44" at 13.18,-24.13 h1.5 r90
  text "48" at 15.714,-24.13 h1.5 r90
  text "50" at 18.254,-24.13 h1.5 r90
  text "3.3V" at -9.686,-24.765 h1.5 r90
  text "3.3V" at 23.334,-24.765 h1.5 r90
  text "3.3V" at -19.846,-26.035 h1.5 r90
  text "x" at -17.432,-26.035 h1.5 r90
  text "x" at -14.892,-26.035 h1.5 r90
  text "27" at -12.218,-26.036 h1.5 r90
  text "G" at -9.68,-26.035 h1.5 r90
  text "29" at -7.146,-26.036 h1.5 r90
  text "33" at -4.606,-26.035 h1.5 r90
  text "35" at -2.066,-26.035 h1.5 r90
  text "G" at 0.48,-26.035 h1.5 r90
  text "37" at 3.014,-26.035 h1.5 r90
  text "39" at 5.554,-26.035 h1.5 r90
  text "41" at 8.102,-26.035 h1.5 r90
  text "G" at 10.64,-26.035 h1.5 r90
  text "43" at 13.174,-26.035 h1.5 r90
  text "47" at 15.72,-26.035 h1.5 r90
  text "49" at 18.254,-26.035 h1.5 r90
  text "G" at 20.8,-26.035 h1.5 r90
  text "G" at -19.84,-27.305 h1.5 r90
Mechanical 15:
  lines w0.1: -35.56,0 35.56,0 ; 0,-35.56 0,35.56 ; 0,0 0,0
  lines w0.5: -18.7,-21.2 -18.7,18.8 18.8,18.8 18.8,-21.2 -18.7,-21.2
  lines w1: -25.4,31.75 25.4,31.75

## Text inside footprints (layer, text, board x,y; h text height)
XP1: Top Overlay "2" at -31.75,-26.67 h1.5 r90; Top Overlay "1" at -27.94,-26.67 h1.5 r90; Top Overlay "34" at -31.75,25.4 h1.5 r90; Top Overlay "33" at -27.94,25.4 h1.5 r90
XP2: Top Overlay "2" at 26.67,-31.75 h1.5 r180; Top Overlay "1" at 26.67,-27.94 h1.5 r180; Top Overlay "34" at -25.4,-31.75 h1.5 r180; Top Overlay "33" at -25.4,-27.94 h1.5 r180
XP5: Top Overlay "2" at 31.75,26.67 h1.5 r270; Top Overlay "1" at 27.94,26.67 h1.5 r270; Top Overlay "34" at 31.75,-25.4 h1.5 r270; Top Overlay "33" at 27.94,-25.4 h1.5 r270
XP6: Top Overlay "2" at -26.67,31.75 h1.5; Top Overlay "1" at -26.67,27.94 h1.5; Top Overlay "34" at 25.4,31.75 h1.5; Top Overlay "33" at 25.4,27.94 h1.5